# Altium PCB pcb-acopians-powerspy-monitoring-hw.PcbDoc (part 2 of 3)
Units mm, origin at the board's own origin, x right, y up, seen from the top; angles counter-clockwise.
Board outline 180 x 100 mm, 2 copper layers (Top Layer, Bottom Layer), stack 1.58 mm thick; 248 components, 138 nets, 1134 pads, 0 vias.
Unrouted connection lines stored in the file: 135.
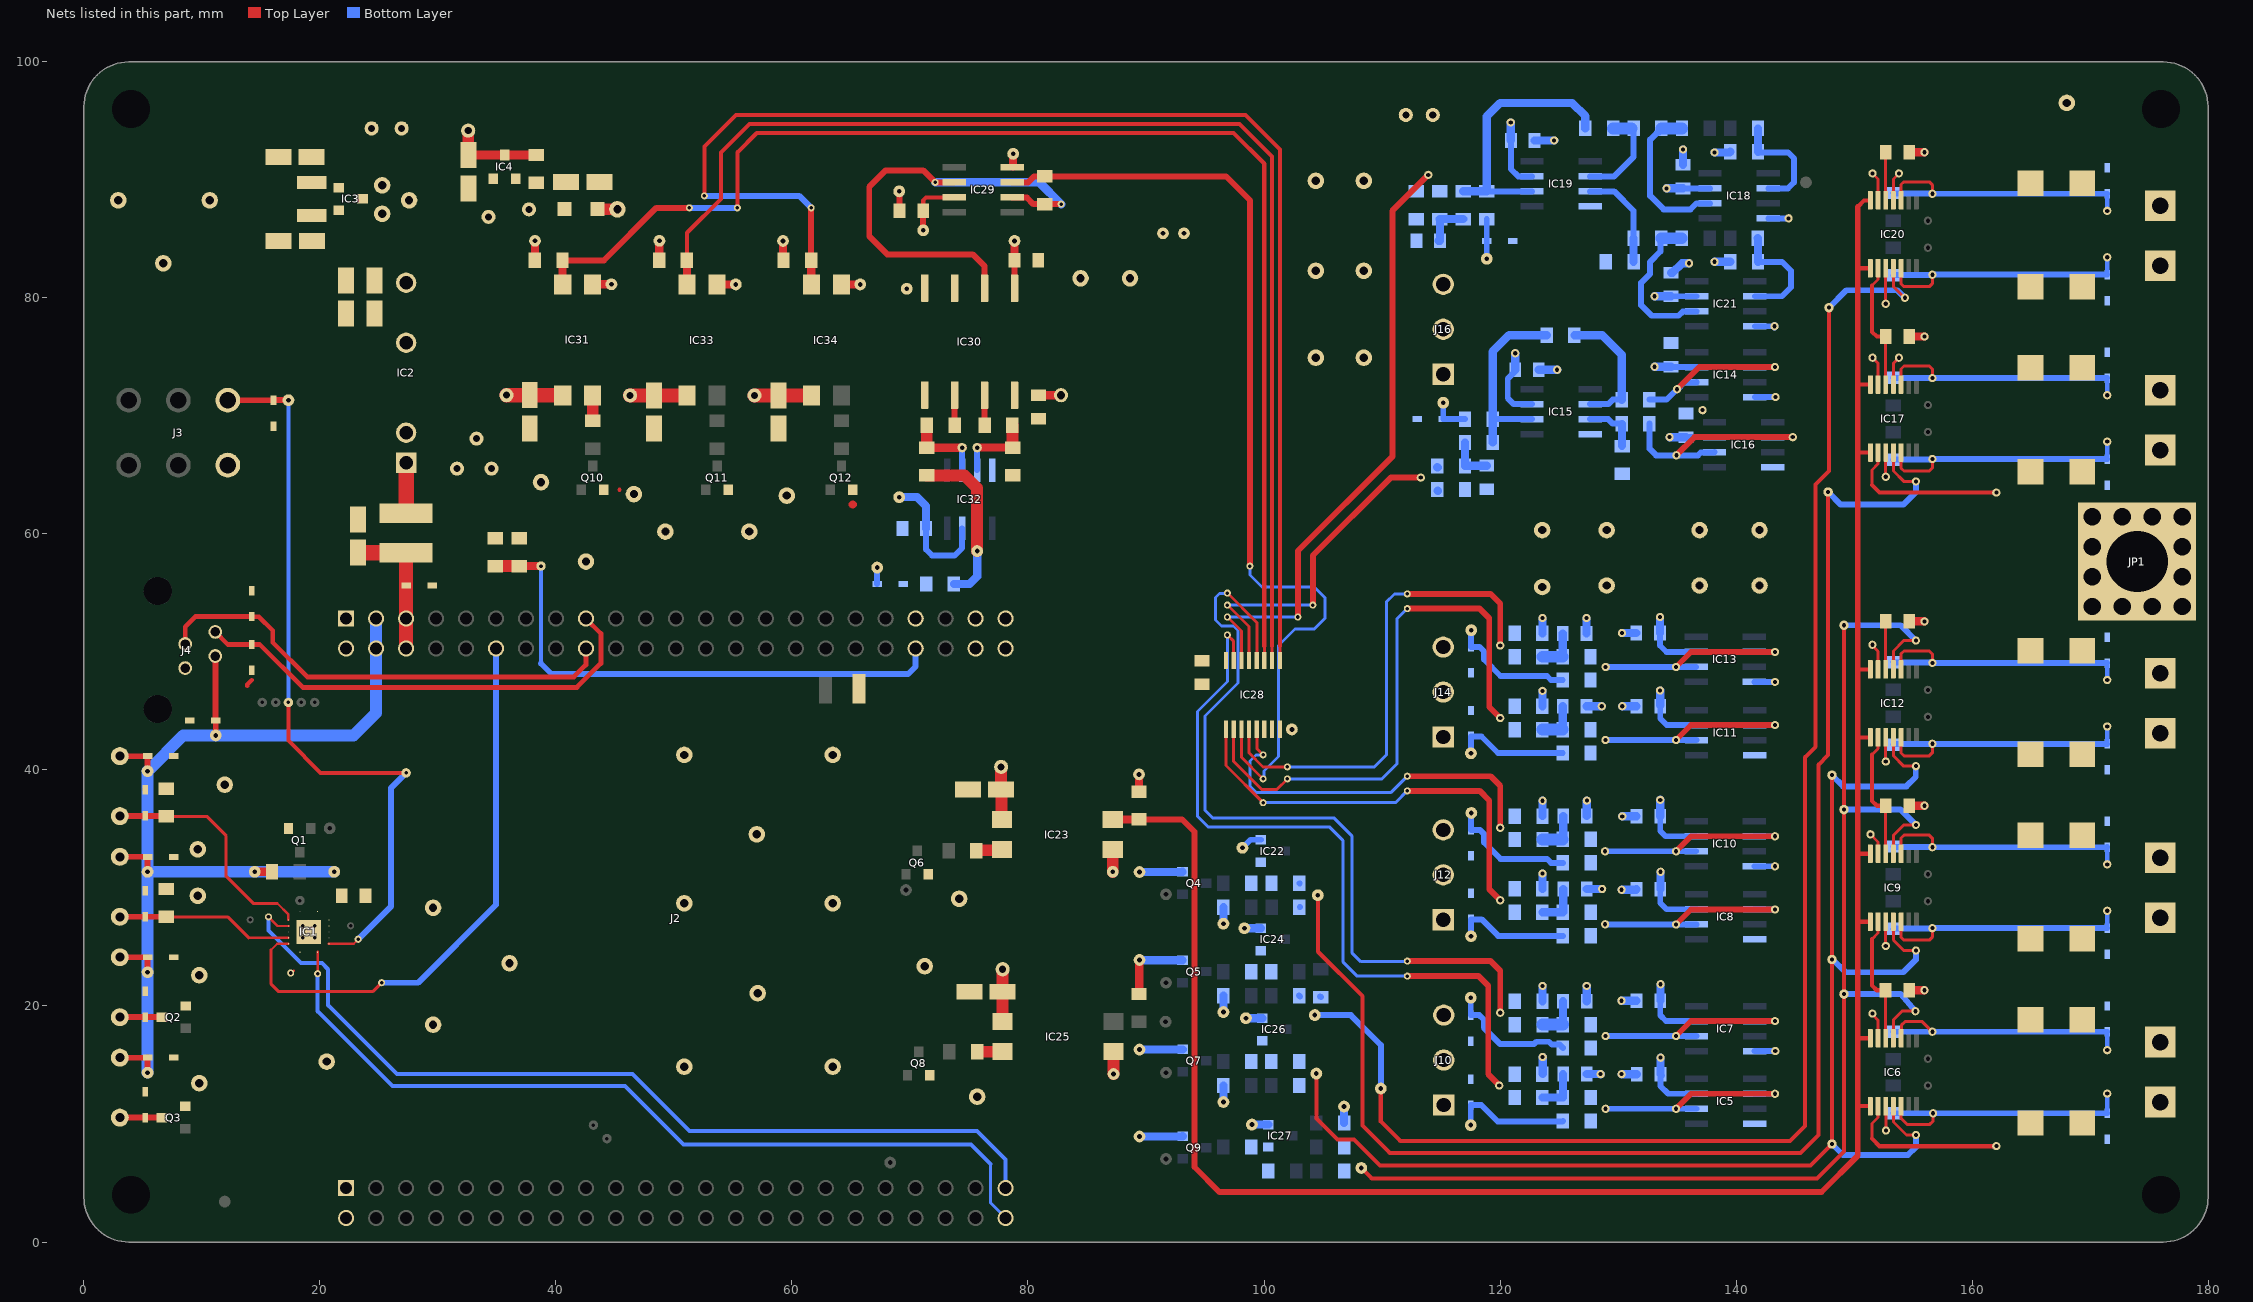
[diagram p2: the nets of this part, all layers, seen from the top]

## Nets (pads, with @x,y where several pads share a name; then routed paths per layer and width w, separated by ;. In a path a pad name is that pad's centre, name@x,y a point inside that pad or via, vN(x,y) a via of type N, cw(c..) or ccw(c..) an arc to the next point about the centre after c; other vN are vias at no path point)
+3V3: C1.2 D3.1 D7.1 D9.1 D11.1 D13.1 IC1.12 IC1.13 IC1.14 J2.3B J2.4B J4.1 J5.1 J6.1 J7.1 J8.1 pad.1@5.4,14.351 pad.1@5.4,22.86 pad.1@5.4,31.369 pad.1@5.4,39.9 pad.1@11.176,42.926 pad.1@14.478,31.369 pad.1@21.209,31.369 R2.2 | length 93.5
  Top Layer w0.45: J8.1@3.048,15.621 D13.1@5.4,15.621 ; J7.1@3.048,24.13 D11.1@5.4,24.13 ; J6.1@3.048,32.639 D9.1@5.4,32.639 ; J5.1@3.048,41.169 D7.1@5.249,41.169
  Top Layer w0.5: D7.1@5.249,41.169 5.25,41.17 D7.1@5.4,41.17 pad.1@5.4,39.9 ; pad.1@5.4,14.351 D13.1@5.4,15.621 ; pad.1@5.4,22.86 D11.1@5.4,24.13 ; pad.1@5.4,31.369 D9.1@5.4,32.639 ; J4.1@11.135,49.653 11.155,49.632 11.155,44.196 D3.1@11.176,44.196 pad.1@11.176,42.926
  Top Layer w0.7: pad.1@14.478,31.369 R2.2@15.938,31.369
  Bottom Layer w1: pad.1@5.4,14.351 pad.1@5.4,22.86 pad.1@5.4,31.369 ; pad.1@21.209,31.369 pad.1@14.478,31.369 pad.1@5.4,31.369 ; J2.3B@24.765,52.832 J2.4B@24.765,50.292 24.765,44.831 22.86,42.926 pad.1@11.176,42.926 8.426,42.926 pad.1@5.4,39.9 pad.1@5.4,31.369
+5V: C2.1 C34.1 C35.1 C39.1 C40.1 C41.2 C42.1 C43.1 D1.1 IC23.1 IC25.1 IC30.8 IC31.1 IC32.7 IC33.1 IC34.1 J2.5B J2.6B L1.1 pad.1@31.623,65.532 pad.1@33.274,68.072 pad.1@34.544,65.532 pad.1@35.814,71.755 pad.1@46.289,71.739 pad.1@56.83,71.739 pad.1@69.088,63.119 pad.1@77.724,40.259 pad.1@77.851,23.114 pad.1@82.804,71.755 R3.2 | length 48.8
  Top Layer w0.5: C40.1@37.777,71.755 C40.1@37.78,71.752 C40.1@37.787,71.745
  Top Layer w0.7: C39.1@80.899,71.755 pad.1@82.804,71.755
  Top Layer w1: IC31.1@40.567,71.745 IC31.1@40.574,71.738 ; pad.1@77.724,40.259 C34.1@77.724,38.354 77.754,38.324 77.754,35.828 IC23.1@77.784,35.798 ; IC25.1@77.85,18.669 C35.1@77.851,21.209 pad.1@77.851,23.114
  Top Layer w1.2: J2.6B@27.305,50.292 J2.5B@27.305,52.832 D1.1@27.305,55.626 L1.1@27.305,58.42 ; pad.1@35.814,71.755 C40.1@37.777,71.755 ; C40.1@37.787,71.745 IC31.1@40.567,71.745 ; pad.1@46.296,71.732 C42.1@48.314,71.732 ; C42.1@48.335,71.725 IC33.1@51.115,71.725 ; pad.1@56.83,71.739 C43.1@58.862,71.739 58.869,71.732 61.649,71.732 IC34.1@61.656,71.725
  Top Layer w1.3: C2.1@23.368,58.407 23.375,58.413 L1.1@27.298,58.413
  Bottom Layer w0.5: C41.2@71.358,60.452 71.358,58.69 71.882,58.166 73.787,58.166 74.422,58.801 IC32.7@74.422,60.477
  Bottom Layer w0.7: pad.1@69.088,63.119 70.612,63.119 71.358,62.373 C41.2@71.358,60.452
+5V_ISO: C8.1 C36.1 C37.1 C38.1 D6.1 IC4.2 IC28.16 IC29.7 IC30.1 pad.1@37.719,87.503 pad.1@38.227,84.836 pad.1@48.768,84.836 pad.1@59.242,84.828 pad.1@71.12,85.725 pad.1@78.859,84.828 pad.1@91.44,85.471 pad.1@93.218,85.471 R6.2 R88.1 R91.1 R97.1 | length 14.3
  Top Layer w0.35: C36.1@71.12,87.376 71.12,88.265 71.374,88.519 IC29.7@73.736,88.519
  Top Layer w0.5: pad.1@71.12,85.725 C36.1@71.12,87.376 ; IC30.1@78.867,80.825 C38.1@78.867,83.185
  Top Layer w0.7: R88.1@38.2,83.185 R88.1@38.213,83.199 ; pad.1@38.227,84.836 38.219,84.828 38.219,83.256 38.29,83.185 R88.1@38.295,83.19 ; pad.1@38.295,84.831 pad.1@38.3,84.836 ; pad.1@48.768,84.836 48.759,84.827 48.759,83.257 R91.1@48.831,83.185 ; pad.1@59.242,84.828 59.243,84.827 59.243,83.186 59.245,83.185 R97.1@59.247,83.188 ; pad.1@59.247,84.833 pad.1@59.25,84.836 ; C38.1@78.867,83.185 pad.1@78.867,84.836
+12V_ISO: C6.1 C7.1 C9.2 C11.1 C12.2 C14.2 C16.1 C17.2 C19.2 C21.1 C22.2 C24.1 C25.1 C26.1 C28.1 C29.1 C30.1 C31.1 C33.1 D15.1 D16.1 D21.1 D22.1 D27.1 D28.1 D33.1 D34.1 D39.1 D40.1 IC3.1 IC4.3 IC5.7 IC6.2 IC6.12 IC7.7 IC8.7 IC9.2 IC9.12 IC10.7 IC11.7 IC12.2 IC12.12 IC13.7 IC14.7 IC15.7 IC16.7 IC17.2 IC17.12 IC18.7 IC19.7 IC20.2 IC20.12 IC21.7 pad.1@24.384,94.361 pad.1@26.924,94.361 pad.1@32.569,94.171 pad.1@89.408,39.624 pad.1@89.449,8.941 pad.1@89.449,16.307 pad.1@89.449,23.9 pad.1@89.449,31.35 pad.1@112.014,95.504 pad.1@114.3,95.504 pad.1@120.904,94.869 pad.1@121.285,75.311 pad.1@133.56,46.736 pad.1@133.56,52.959 pad.1@133.096,74.168 pad.1@133.096,80.137 pad.1@133.572,37.465 pad.1@133.604,15.621 pad.1@133.604,21.844 pad.1@133.604,31.369 pad.1@134.112,89.281 pad.1@134.366,68.199 pad.1@162.052,8.128 pad.1@162.052,63.501 Q4.2 Q5.2 Q7.2 Q9.2 R5.2 R6.1 R69.2 R76.2 | length 160.5
  Top Layer w0.254: C7.1@32.569,92.143 C7.1@32.607,92.106 ; 151.511,25.665 152.03,26.185 IC9.2@152.03,27.143 ; 151.518,8.756 151.518,10.04 152.03,10.552 IC6.2@152.03,11.51 ; 151.518,40.01 151.518,41.294 152.03,41.806 IC12.2@152.03,42.764 ; 151.518,64.14 151.518,65.424 152.03,65.936 IC17.2@152.03,66.894 ; 151.518,79.761 151.518,81.045 152.03,81.557 IC20.2@152.03,82.515 ; C11.1@152.297,21.834 152.67,21.461 C11.1@152.67,21.336 ; IC6.12@152.68,17.27 C11.1@152.68,21.336 ; IC9.12@152.68,32.903 C16.1@152.68,36.969 ; IC12.12@152.68,48.524 C21.1@152.68,52.59 ; IC17.12@152.68,72.654 C26.1@152.68,76.72 ; IC20.12@152.68,88.275 C30.1@152.68,92.341
  Top Layer w0.35: 151.518,8.756 152.157,8.117 pad.1@162.052,8.117 ; 151.518,25.665 151.518,21.738 151.92,21.336 C11.1@152.67,21.336 ; 151.518,64.14 152.157,63.501 pad.1@162.052,63.501 ; 151.528,41.298 151.528,37.371 151.93,36.969 C16.1@152.68,36.969 ; 151.528,81.049 151.528,77.122 151.93,76.72 C26.1@152.68,76.72
  Top Layer w0.7: R76.2@89.408,21.019 89.429,21.04 89.429,23.88 pad.1@89.449,23.9 ; R69.2@89.408,38.164 pad.1@89.408,39.624 ; D40.1@165.567,89.578 D40.1@165.571,89.582
  Top Layer w0.8: C7.1@32.607,92.106 IC4.3@35.655,92.106 R6.1@38.321,92.106
  Top Layer w1: C7.1@32.569,92.143 pad.1@32.569,94.171
  Bottom Layer w0.5: Q4.2@93.089,31.367 Q4.2@93.091,31.364 ; pad.1@120.904,94.869 pad.1@120.912,94.861 ; C31.1@120.912,93.353 C31.1@120.92,93.345 120.92,90.916 121.539,90.297 IC19.7@122.707,90.297 ; C25.1@121.285,73.914 121.285,73.789 120.65,73.154 120.65,71.501 121.158,70.993 IC15.7@122.707,70.993 IC15.7@122.678,71.022 ; C22.2@133.553,51.605 C22.2@133.546,51.598 133.546,50.553 134.099,50 IC13.7@136.616,50 ; pad.1@133.553,52.952 pad.1@133.56,52.959 ; pad.1@133.56,46.736 pad.1@133.566,46.73 ; C19.2@133.566,45.472 C19.2@133.572,45.466 ; C17.2@133.572,36.068 133.572,34.83 134.023,34.379 IC10.7@136.616,34.379 ; C19.2@133.572,45.4 133.572,44.355 134.125,43.802 IC11.7@136.642,43.802 ; C12.2@133.588,20.463 C12.2@133.572,20.447 133.572,19.209 134.061,18.72 IC7.7@136.642,18.72 IC7.7@136.632,18.71 ; pad.1@133.588,21.828 pad.1@133.604,21.844 ; C14.2@133.588,29.916 C14.2@133.572,29.9 133.572,28.734 134.112,28.194 136.629,28.194 IC8.7@136.642,28.181 ; pad.1@133.588,31.353 pad.1@133.604,31.369 ; C9.2@133.596,14.232 C9.2@133.588,14.224 133.588,13.224 134.246,12.566 136.636,12.566 IC5.7@136.642,12.56 ; pad.1@133.596,15.613 pad.1@133.604,15.621 ; C9.2@133.729,14.099 C9.2@133.731,14.097 ; C33.1@134.493,80.137 IC21.7@136.661,80.137 ; C24.1@134.508,74.153 IC14.7@136.638,74.153 ; C29.1@135.509,89.281 IC18.7@137.795,89.281 ; C28.1@135.763,68.199 IC16.7@138.176,68.199 ; IC14.7@136.657,74.134 IC14.7@136.661,74.138
  Bottom Layer w0.7: pad.1@89.449,8.941 89.454,8.946 93.102,8.946 Q9.2@93.107,8.951 Q9.2@93.094,8.964 ; pad.1@89.449,16.307 89.454,16.312 93.097,16.312 93.099,16.31 Q7.2@93.107,16.317 ; pad.1@89.449,23.9 89.463,23.886 93.077,23.886 Q5.2@93.091,23.871 ; pad.1@89.449,31.35 89.456,31.357 93.084,31.357 Q4.2@93.091,31.364 ; C31.1@120.912,93.353 pad.1@120.912,94.861 ; C25.1@121.285,73.914 pad.1@121.285,75.311 ; pad.1@133.096,74.168 C24.1@134.493,74.168 C24.1@134.508,74.153 ; pad.1@133.096,80.137 C33.1@134.493,80.137 ; C22.2@133.553,51.605 pad.1@133.553,52.952 ; C19.2@133.566,45.472 pad.1@133.566,46.73 ; C17.2@133.572,36.068 pad.1@133.572,37.465 ; C12.2@133.588,20.463 pad.1@133.588,21.828 ; C14.2@133.588,29.916 pad.1@133.588,31.353 ; C9.2@133.596,14.232 pad.1@133.596,15.613 ; pad.1@134.112,89.281 C29.1@135.509,89.281 ; pad.1@134.366,68.199 C28.1@135.763,68.199
+15V_ISO: C3.1 C4.1 C5.1 IC2.7 IC3.2 R5.1 | length 0
  Top Layer w1: C5.1@19.311,84.842 C5.1@19.317,84.836
BOARD_POWER_SUPPLY_VOLTAGE: J2.40B pad.1@38.735,57.277 R3.1 R4.2 | length 46
  Top Layer w0.7: R4.2@36.894,57.277 pad.1@38.735,57.277
  Top Layer w1: R3.1@34.862,57.277 R4.2@36.894,57.277
  Bottom Layer w0.35: 38.735,49.022 pad.1@38.735,57.277
  Bottom Layer w0.5: 38.735,49.022 39.624,48.133 69.85,48.133 70.485,48.768 J2.40B@70.485,50.292
BUFFERED_MUX_OUTPUT: IC29.2 IC29.6 IC30.2 pad.1@72.136,89.789 pad.1@82.804,87.947 R87.2 | length 40.9
  Top Layer w0.5: IC29.6@73.736,89.789 pad.1@72.136,89.789 71.12,90.805 67.945,90.805 66.548,89.408 66.548,85.217 68.072,83.693 75.311,83.693 76.327,82.677 IC30.2@76.327,80.825 ; IC29.2@78.664,88.519 78.693,88.49 79.912,88.49 80.455,87.947 R87.2@81.407,87.947 pad.1@82.804,87.947
  Bottom Layer w0.73: pad.1@72.136,89.789 80.962,89.789 pad.1@82.804,87.947
BUFFERED_RESET: IC1.6 J2.12B pad.1@25.232,21.971 | length 48.7
  Top Layer w0.2: 15.875,24.765 16.391,25.281 IC1.6@17.333,25.281
  Top Layer w0.254: 15.875,24.765 15.875,21.844 16.51,21.209 24.47,21.209 pad.1@25.232,21.971
  Bottom Layer w0.5: pad.1@25.232,21.971 28.321,21.971 34.925,28.575 J2.12B@34.925,50.292
BUFFERED_SELECTED_BOARD_POWER_SOURCE: IC1.8 J2.46A pad.1@19.812,22.733 | length 72.5
  Top Layer w0.2: IC1.8@19.808,24.581 IC1.8@19.808,24.556 19.808,22.737 pad.1@19.812,22.733
  Bottom Layer w0.254: 76.835,6.604 76.835,3.302 J2.46A@78.105,2.032
  Bottom Layer w0.35: pad.1@19.812,22.733 19.812,19.558 26.162,13.208 45.847,13.208 50.8,8.255 75.184,8.255 76.835,6.604
BUFFERED_SWITCH_STATE: IC1.3 J2.45A pad.1@15.646,27.551 | length 77.9
  Top Layer w0.2: pad.1@15.646,27.551 16.416,26.781 IC1.3@17.333,26.781 IC1.3@17.358,26.781
  Bottom Layer w0.35: pad.1@15.646,27.551 15.646,26.391 18.391,23.646 20.169,23.646 20.701,23.114 20.701,20.066 26.543,14.224 46.482,14.224 51.308,9.398 75.692,9.398 78.105,6.985 J2.45A@78.105,4.572
GND: C1.1 C2.2 C34.2 C35.2 C39.2 C40.2 C41.1 C42.2 C43.2 D1.2 D2.2 D3.2 D4.2 D5.2 D7.2 D8.2 D9.2 D10.2 D11.2 D12.2 D13.2 D14.2 D43.1 IC1.7 IC1.15 IC2.2 IC30.5 IC32.4 J2.1A J2.1B J2.2A J2.2B J2.43B J2.44B J2.45B J2.46B J3.6 J4.4 pad.1@9.652,29.337 pad.1@9.652,33.274 pad.1@9.779,13.462 pad.1@9.779,22.606 pad.1@11.938,38.748 pad.1@17.526,22.796 pad.1@20.573,15.289 pad.1@29.591,18.415 pad.1@29.591,28.321 pad.1@36.068,23.622 pad.1@38.735,64.389 pad.1@42.545,57.658 pad.1@46.609,63.373 pad.1@49.276,60.198 pad.1@50.878,14.858 pad.1@50.878,28.701 pad.1@50.878,41.274 pad.1@56.388,60.198 pad.1@57.023,34.544 pad.1@57.101,21.081 pad.1@59.563,63.246 pad.1@63.451,14.858 pad.1@63.451,28.701 pad.1@63.451,41.274 pad.1@67.22,57.15 pad.1@71.247,23.368 pad.1@74.168,29.083 pad.1@75.692,12.319 Q1.2 Q2.2 Q3.2 Q6.2 Q8.2 Q10.2 Q11.2 Q12.2 R1.2 R4.1 R7.1 R8.1 R96.1 | length 2.8
  Top Layer w0.2: pad.1@17.526,22.796 17.78,22.987
  Top Layer w0.35: D14.2@5.2,12.741 D14.2@5.243,12.784 ; 13.843,47.117 13.843,47.241 14.224,47.622 ; Q10.2@44.064,63.754 Q10.2@44.072,63.746 ; 45.392,63.746 45.4,63.738
  Top Layer w0.5: D8.2@5.2,38.311 D8.2@5.2,38.365 ; R8.1@6.91,29.834 R8.1@6.985,29.909 ; R7.1@6.932,38.365 R7.1@6.985,38.418
  Top Layer w0.7: Q12.2@65.146,63.754 Q12.2@65.149,63.752 ; 65.149,62.486 65.151,62.484
  Bottom Layer w0.2: D43.1@67.183,55.795 D43.1@67.226,55.753 ; D43.1@67.22,55.759 D43.1@67.226,55.753
  Bottom Layer w0.5: D43.1@67.22,55.759 pad.1@67.22,57.15
GND_ISO: C3.2 C4.2 C5.2 C6.2 C7.2 C8.2 C9.1 C10.1 C11.2 C12.1 C13.1 C14.1 C15.1 C16.2 C17.1 C18.1 C19.1 C20.1 C21.2 C22.1 C23.1 C24.2 C25.2 C26.2 C27.1 C28.2 C29.2 C30.2 C31.2 C32.1 C33.2 C36.2 C37.2 C38.2 D6.2 D17.2 D18.2 D19.2 D20.2 D23.2 D24.2 D25.2 D26.2 D29.2 D30.2 D31.2 D32.2 D35.2 D36.2 D37.2 D38.2 D41.2 D42.2 IC2.5 IC3.3 IC4.1 IC5.4 IC6.3 IC6.13 IC7.4 IC8.4 IC9.3 IC9.13 IC10.4 IC11.4 IC12.3 IC12.13 IC13.4 IC14.4 IC15.4 IC16.4 IC17.3 IC17.11 IC17.13 IC18.4 IC19.4 IC20.3 IC20.11 IC20.13 IC21.4 IC22.2 IC23.3 IC24.2 IC25.3 IC26.2 IC27.2 IC28.6 IC28.7 IC28.8 IC29.4 IC30.3 IC30.4 IC31.3 IC33.3 IC34.3 J10.2 J12.2 J14.2 J16.2 JP1.1 pad.1@2.921,88.265 pad.1@6.731,82.931 pad.1@10.668,88.265 pad.1@25.273,87.122 pad.1@25.273,89.535 pad.1@27.559,88.265 pad.1@34.29,86.868 pad.1@44.704,81.153 pad.1@45.212,87.503 pad.1@55.245,81.14 pad.1@65.786,81.14 pad.1@69.088,89.027 pad.1@69.723,80.772 pad.1@78.74,92.202 pad.1@84.455,81.661 pad.1@87.25,14.235 pad.1@87.184,31.364 pad.1@88.646,81.661 pad.1@96.561,11.862 pad.1@96.561,19.482 pad.1@96.561,26.975 pad.1@98.171,33.401 pad.1@98.339,26.589 pad.1@98.466,18.969 pad.1@98.974,9.952 pad.1@102.362,43.434 pad.1@104.394,74.93 pad.1@104.394,82.296 pad.1@104.394,89.916 pad.1@106.785,11.481 pad.1@108.458,74.93 pad.1@108.458,82.296 pad.1@108.458,89.916 pad.1@123.571,55.499 pad.1@123.571,60.325 pad.1@123.596,31.221 pad.1@123.596,46.701 pad.1@123.596,52.871 pad.1@123.606,21.701 pad.1@123.606,37.391 pad.1@123.612,15.672 pad.1@124.587,93.345 pad.1@124.841,73.914 pad.1@127.326,52.871 pad.1@127.346,21.701 pad.1@127.355,37.401 pad.1@128.524,14.224 pad.1@128.621,45.394 pad.1@128.651,29.914 pad.1@129.032,55.626 pad.1@129.032,60.325 pad.1@130.286,20.447 pad.1@130.302,14.224 pad.1@130.302,29.845 pad.1@130.331,51.598 pad.1@130.357,36.068 pad.1@130.357,45.4 pad.1@135.509,92.583 pad.1@136.017,82.931 pad.1@136.906,55.626 pad.1@136.906,60.325 pad.1@137.16,70.485 pad.1@138.176,83.058 pad.1@138.176,92.329 pad.1@141.986,55.626 pad.1@141.986,60.325 pad.1@143.256,77.597 pad.1@143.297,31.839 pad.1@143.297,47.46 pad.1@143.323,16.18 pad.1@143.342,71.598 pad.1@144.45,86.741 pad.1@151.384,34.544 pad.1@151.552,19.355 pad.1@151.552,50.609 pad.1@151.563,74.93 pad.1@151.563,90.551 pad.1@152.68,79.502 pad.1@152.688,25.089 pad.1@152.688,40.71 pad.1@152.688,64.84 pad.1@152.695,9.449 pad.1@153.797,74.93 pad.1@153.797,90.551 pad.1@155.956,21.336 pad.1@155.966,36.969 pad.1@155.966,52.59 pad.1@155.966,76.72 pad.1@155.966,92.341 pad.1@168.021,96.52 R12.1 R17.1 R22.1 R27.1 R32.1 R37.1 R45.1 R46.1 R54.2 R56.1 R61.1 R62.1 R68.1 R75.1 R81.1 R86.1 | length 101.5
  Top Layer w0.254: IC29.4@78.664,91.059 IC29.4@78.74,91.135 ; pad.1@151.384,34.544 152.03,33.898 IC9.13@152.03,32.903 ; pad.1@151.552,19.355 151.552,19.277 152.03,18.799 IC6.13@152.03,17.27 ; pad.1@151.552,50.531 152.03,50.053 IC12.13@152.03,48.524 ; pad.1@151.563,74.93 152.03,74.463 IC17.13@152.03,72.654 ; pad.1@151.563,90.551 152.03,90.084 IC20.13@152.03,88.275 ; IC6.3@152.68,11.51 152.688,11.503 pad.1@152.688,9.449 ; pad.1@152.68,25.089 IC9.3@152.68,27.143 ; pad.1@152.68,40.71 IC12.3@152.68,42.764 ; pad.1@152.68,64.84 IC17.3@152.68,66.894 ; pad.1@152.68,79.502 IC20.3@152.68,82.515 ; IC9.3@152.695,26.805 IC9.3@152.738,26.848 ; IC17.11@153.33,72.654 153.33,74.463 pad.1@153.797,74.93 ; IC20.11@153.33,88.275 153.33,90.084 pad.1@153.797,90.551
  Top Layer w0.5: pad.1@69.088,89.027 69.104,89.011 69.104,87.392 C36.2@69.12,87.376
  Top Layer w0.7: IC31.3@43.114,81.138 43.122,81.146 44.697,81.146 pad.1@44.704,81.153 ; D6.2@43.547,87.518 D6.2@43.532,87.534 D6.2@43.683,87.685 ; C8.2@43.682,89.82 C8.2@43.697,89.804 ; pad.1@45.197,87.518 pad.1@45.212,87.503 ; IC33.3@53.663,81.133 pad.1@55.238,81.133 ; IC34.3@64.204,81.133 pad.1@65.779,81.133 ; IC29.4@78.74,91.135 pad.1@78.74,92.202 ; C11.2@154.67,21.336 pad.1@155.956,21.336 ; C16.2@154.68,36.969 pad.1@155.966,36.969 ; C21.2@154.68,52.59 pad.1@155.966,52.59 ; C26.2@154.68,76.72 pad.1@155.966,76.72 ; C30.2@154.68,92.341 pad.1@155.966,92.341
  Top Layer w1: D6.2@43.547,87.518 pad.1@45.197,87.518 ; pad.1@87.184,31.364 IC23.3@87.184,33.258 ; pad.1@87.25,14.235 IC25.3@87.25,16.129
  Bottom Layer w0.5: pad.1@98.171,33.401 98.852,34.082 IC22.2@99.736,34.082 ; IC10.4@141.544,31.839 pad.1@143.297,31.839 ; IC13.4@141.544,47.46 pad.1@143.297,47.46 ; IC7.4@141.57,16.18 pad.1@143.323,16.18 ; IC14.4@141.588,71.598 pad.1@143.342,71.598 ; IC21.4@141.589,77.597 pad.1@143.256,77.597 ; IC18.4@142.723,86.741 pad.1@144.45,86.741
  Bottom Layer w0.7: pad.1@96.561,11.862 R81.1@96.561,13.259 ; pad.1@96.561,19.482 R75.1@96.561,20.879 ; pad.1@96.561,26.975 R68.1@96.561,28.372 ; pad.1@98.339,26.589 IC24.2@99.736,26.589 ; pad.1@98.466,18.969 IC26.2@99.863,18.969 ; pad.1@98.974,9.952 IC27.2@100.371,9.952 ; R86.1@106.785,10.084 pad.1@106.785,11.481 ; C31.2@122.92,93.345 pad.1@124.587,93.345 ; C25.2@123.285,73.914 pad.1@124.841,73.914 ; R22.1@123.59,29.92 pad.1@123.59,31.215 ; R32.1@123.59,45.4 pad.1@123.59,46.695 ; R37.1@123.59,51.57 pad.1@123.59,52.865 ; R17.1@123.6,20.4 pad.1@123.6,21.695 ; R27.1@123.6,36.09 pad.1@123.6,37.385 ; R12.1@123.612,14.252 pad.1@123.612,15.672 ; C20.1@127.32,45.4 pad.1@128.615,45.4 ; C23.1@127.32,51.57 pad.1@127.32,52.865 ; C13.1@127.34,20.4 127.34,21.695 pad.1@127.346,21.701 ; C18.1@127.349,36.1 pad.1@127.349,37.395 ; C10.1@127.35,14.23 128.518,14.23 pad.1@128.524,14.224 ; C15.1@127.35,29.92 pad.1@128.645,29.92 ; pad.1@130.286,20.447 C12.1@131.572,20.447 ; pad.1@130.302,14.224 C9.1@131.588,14.224 ; pad.1@130.302,29.845 131.517,29.845 C14.1@131.572,29.9 ; pad.1@130.331,51.598 C22.1@131.546,51.598 ; pad.1@130.357,36.068 C17.1@131.572,36.068 ; pad.1@130.357,45.4 C19.1@131.572,45.4 ; C33.2@134.493,82.137 134.618,82.137 135.412,82.931 pad.1@136.017,82.931 ; C29.2@135.509,91.281 pad.1@135.509,92.583 ; pad.1@138.176,83.058 R56.1@139.509,83.058 ; pad.1@138.176,92.329 139.458,92.329 R54.2@139.509,92.38
ISOLATED_AMP_OUTPUT_N: IC30.6 R92.1 | length 2.5
  Top Layer w0.5: R92.1@73.787,69.215 IC30.6@73.787,71.755
ISOLATED_AMP_OUTPUT_P: IC30.7 R95.1 | length 2.5
  Top Layer w0.5: R95.1@76.327,69.215 IC30.7@76.327,71.755
MUX_OUTPUT: IC28.3 IC29.3 pad.1@98.806,57.277 pad.1@99.924,39.243 R87.1 | length 84.2
  Top Layer w0.254: IC28.3@98.095,43.434 98.095,41.072 pad.1@99.924,39.243
  Top Layer w0.5: IC29.3@79.375,89.789 IC29.3@78.664,89.789 80.01,89.789 80.518,90.297 R87.1@81.407,90.297 96.774,90.297 98.806,88.265 pad.1@98.806,57.277
  Bottom Layer w0.254: pad.1@98.806,57.277 98.806,56.515 99.822,55.499 104.267,55.499 105.156,54.61 105.156,52.832 104.267,51.943 102.616,51.943 101.219,50.546 101.219,41.148 99.99,39.919 99.99,39.309 pad.1@99.924,39.243
MUX_SEL_BIT_0: IC28.11 IC31.4 pad.1@51.308,87.63 pad.1@55.372,87.63 R88.2 | length 112
  Top Layer w0.254: IC28.11@100.025,49.276 100.025,50.495